# Altium PCB Urukul.PcbDoc (part 2 of 12)
Units mm, origin at the board's own origin, x right, y up, seen from the top; angles counter-clockwise.
Board outline 160.99 x 100 mm, 6 copper layers (L1, P2, L3, L4, P5, L6), stack 1.648 mm thick; 971 components, 541 nets, 3373 pads, 2358 vias.
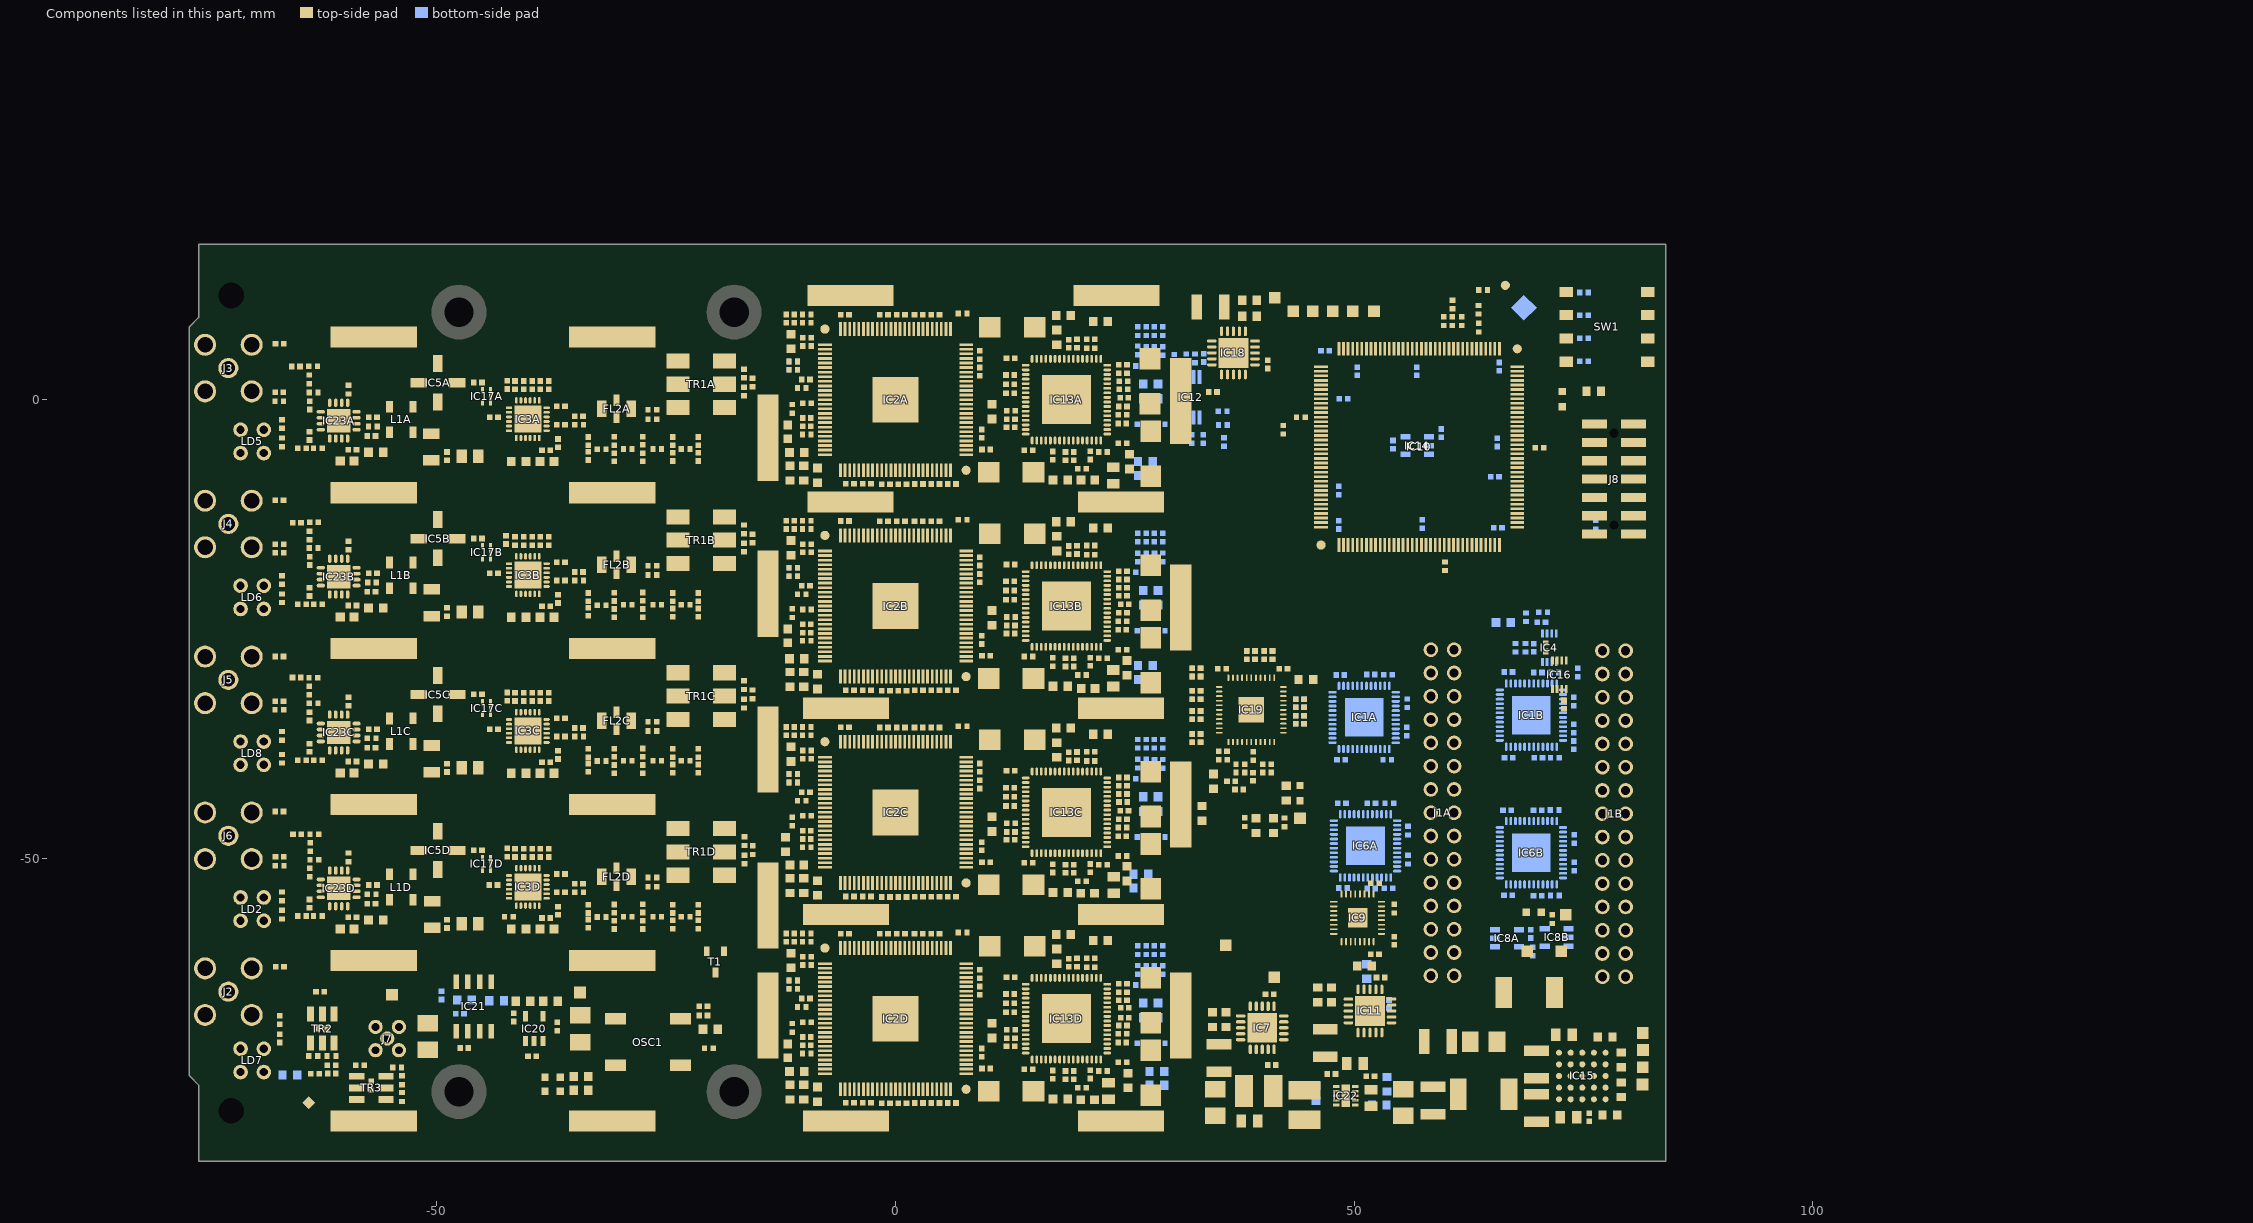
[diagram p6: the components of this part, seen from the top]

## Components (designator, comment, footprint, x,y, rotation, side; value= is the part's Value field where it differs from the comment) (continued)
C158B "100nF" CAPC1005X55N -9.65,-15.75 r0 top (schematic designator C158)
C158C "100nF" CAPC1005X55N -9.65,-38.25 r0 top (schematic designator C158)
C158D "100nF" CAPC1005X55N -9.65,-60.75 r0 top (schematic designator C158)
C159A "100nF" CAPC1005X55N -5.525,9.275 r180 top (schematic designator C159)
C159B "100nF" CAPC1005X55N -5.525,-13.225 r180 top (schematic designator C159)
C159C "100nF" CAPC1005X55N -5.525,-35.725 r180 top (schematic designator C159)
C159D "100nF" CAPC1005X55N -5.525,-58.225 r180 top (schematic designator C159)
C160 "1uF" CAPC1005X55N 53.823,-65.913 r90 bottom
C161 "47uF" CAPC3225X270N 69.89,-72.5 r90 top
C162A "10uF" CAPMP6032X280N 27.75,2 r270 top (schematic designator C162)
C162B "10uF" CAPMP6032X280N 27.82,-20.503 r270 top (schematic designator C162)
C162C "10uF" CAPMP6032X280N 27.82,-43.003 r270 top (schematic designator C162)
C162D "10uF" CAPMP6032X280N 27.82,-65.503 r270 top (schematic designator C162)
C163 "47uF" CAPC3225X270N 59.14,-70 r0 top
C164A "Undefined" CAPC1005X55N -21.5,-6.228 r270 top (schematic designator C164)
C164B "Undefined" CAPC1005X55N -21.5,-23.228 r270 top (schematic designator C164)
C164C "Undefined" CAPC1005X55N -21.5,-40.228 r270 top (schematic designator C164)
C164D "Undefined" CAPC1005X55N -21.5,-57.228 r270 top (schematic designator C164)
C165 "1uF" CAPC1005X55N 52.89,-63 r0 top
C166 "47uF" CAPC3225X270N 46.85,-70.153 r90 top
C167 "1uF" CAPC1005X55N 34.6,0.847 r180 top
C168 "1uF" CAPC1005X55N 40.6,3.847 r270 top
C169 "47uF" CAPC3225X270N 34.35,10.097 r0 top
C170 "10nF" CAPC1005X55N -36.87,-68.353 r90 top
C171 "1uF" CAPC1005X55N -39.62,-71.603 r180 top
C172A "Undefined" CAPC1005X55N -24.3,-4.528 r90 top (schematic designator C172)
C172B "Undefined" CAPC1005X55N -24.3,-21.528 r90 top (schematic designator C172)
C172C "Undefined" CAPC1005X55N -24.3,-38.528 r90 top (schematic designator C172)
C172D "Undefined" CAPC1005X55N -24.3,-55.528 r90 top (schematic designator C172)
C173 "100nF" CAPC1005X55N -41.62,-67.353 r90 top
C174 "1uF" CAPC1005X55N -47.025,-70.703 r180 top
C175 "10nF" CAPC1005X55N -49.5,-64.953 r270 bottom
C176A "Undefined" CAPC1005X55N -27.55,-6.278 r270 top (schematic designator C176)
C176B "Undefined" CAPC1005X55N -27.55,-23.278 r270 top (schematic designator C176)
C176C "Undefined" CAPC1005X55N -27.55,-40.278 r270 top (schematic designator C176)
C176D "Undefined" CAPC1005X55N -27.55,-57.278 r270 top (schematic designator C176)
C177 "100nF" CAPC1005X55N -47.5,-66.953 r180 bottom
C178 "100nF" CAPC1005X55N 47.529,-73.542 r180 top
C179 "22uF" CAPC2012X135N 50.1,-72.403 r180 top
C180A "Undefined" CAPC1005X55N -30.675,-4.503 r90 top (schematic designator C180)
C180B "Undefined" CAPC1005X55N -30.675,-21.503 r90 top (schematic designator C180)
C180C "Undefined" CAPC1005X55N -30.675,-38.503 r90 top (schematic designator C180)
C180D "Undefined" CAPC1005X55N -30.675,-55.503 r90 top (schematic designator C180)
C181 "100nF" CAPC1005X55N 51.779,-73.792 r0 top
C182 "22uF" CAPC2012X135N 51.85,-76.153 r90 top
C183 "22uF" CAPC2012X135N 38.6,-78.653 r0 top
C184 "100nF" CAPC1005X55N 65.85,3.597 r90 bottom
C185 "100nF" CAPC1005X55N 65.694,-13.965 r0 bottom
C186 "100nF" CAPC1005X55N 65.6,-4.653 r90 bottom
C187 "100nF" CAPC1005X55N 48.35,-9.903 r90 bottom
C188 "100nF" CAPC1005X55N 56.85,3.097 r90 bottom
C189 "100nF" CAPC1005X55N 37.462,-42.514 r180 top
C190 "100nF" CAPC1005X55N -58.398,-72.588 r180 top
C191 "0.5pF" CAPC1005X50N -53.813,-76.054 r270 top
C192 "100nF" CAPC1005X55N 50.35,3.097 r90 bottom
C193 "100nF" CAPC1005X55N 48.85,0.097 r180 bottom
C194 "100nF" CAPC1005X55N 38.986,-41.117 r90 top
C195 "0.5pF" CAPC1005X50N -53.813,-74.225 r270 top
C196 "100nF" CAPC1005X55N -62.75,-64.553 r0 top
C197 "1uF" CAPC1005X55N 59.5,-3.653 r90 bottom
C198 "1uF" CAPC1005X55N 54.25,-4.903 r90 bottom
C199 "100nF" CAPC1005X55N 48.35,-13.653 r270 bottom
C200 "100nF" CAPC1005X55N 65.35,-8.403 r0 bottom
C201 "100nF" CAPC1005X55N 46.85,5.347 r180 bottom
C202A "Undefined" CAPC1005X55N -33.5,-6.128 r270 top (schematic designator C202)
C202B "Undefined" CAPC1005X55N -33.5,-23.128 r270 top (schematic designator C202)
C202C "Undefined" CAPC1005X55N -33.5,-40.128 r270 top (schematic designator C202)
C202D "Undefined" CAPC1005X55N -33.5,-57.128 r270 top (schematic designator C202)
C203A "Undefined" CAPC1005X55N -21.5,-4.528 r270 top (schematic designator C203)
C203B "Undefined" CAPC1005X55N -21.5,-21.528 r270 top (schematic designator C203)
C203C "Undefined" CAPC1005X55N -21.5,-38.528 r270 top (schematic designator C203)
C203D "Undefined" CAPC1005X55N -21.5,-55.528 r270 top (schematic designator C203)
C204A "Undefined" CAPC1005X55N -24.3,-6.228 r90 top (schematic designator C204)
C204B "Undefined" CAPC1005X55N -24.3,-23.228 r90 top (schematic designator C204)
C204C "Undefined" CAPC1005X55N -24.3,-40.228 r90 top (schematic designator C204)
C204D "Undefined" CAPC1005X55N -24.3,-57.228 r90 top (schematic designator C204)
C205A "Undefined" CAPC1005X55N -27.55,-4.478 r270 top (schematic designator C205)
C205B "Undefined" CAPC1005X55N -27.55,-21.478 r270 top (schematic designator C205)
C205C "Undefined" CAPC1005X55N -27.55,-38.478 r270 top (schematic designator C205)
C205D "Undefined" CAPC1005X55N -27.55,-55.478 r270 top (schematic designator C205)
C206A "Undefined" CAPC1005X55N -30.675,-6.278 r90 top (schematic designator C206)
C206B "Undefined" CAPC1005X55N -30.675,-23.278 r90 top (schematic designator C206)
C206C "Undefined" CAPC1005X55N -30.675,-40.278 r90 top (schematic designator C206)
C206D "Undefined" CAPC1005X55N -30.675,-57.278 r90 top (schematic designator C206)
C207A "Undefined" CAPC1005X55N -33.5,-4.528 r270 top (schematic designator C207)
C207B "Undefined" CAPC1005X55N -33.5,-21.528 r270 top (schematic designator C207)
C207C "Undefined" CAPC1005X55N -33.5,-38.528 r270 top (schematic designator C207)
C207D "Undefined" CAPC1005X55N -33.5,-55.528 r270 top (schematic designator C207)
CLIP1 "S1411-46R" CLIP_HOLLAND-SHIELDING_LC 31.1,-0.153 r270 top
CLIP2 "S1411-46R" CLIP_HOLLAND-SHIELDING_LC -13.9,-67.153 r270 top
CLIP3 "S1411-46R" CLIP_HOLLAND-SHIELDING_LC -4.9,11.347 r180 top
CLIP4 "S1411-46R" CLIP_HOLLAND-SHIELDING_LC 24.6,-56.153 r180 top
CLIP5 "S1411-46R" CLIP_HOLLAND-SHIELDING_LC -13.9,-4.153 r270 top
CLIP6 "S1411-46R" CLIP_HOLLAND-SHIELDING_LC 24.1,11.347 r180 top
CLIP7 "S1411-46R" CLIP_HOLLAND-SHIELDING_LC -30.9,6.847 r180 top
CLIP8 "S1411-46R" CLIP_HOLLAND-SHIELDING_LC -30.9,-61.153 r180 top
CLIP9 "S1411-46R" CLIP_HOLLAND-SHIELDING_LC 24.6,-78.653 r180 top
CLIP10 "S1411-46R" CLIP_HOLLAND-SHIELDING_LC -13.9,-21.153 r270 top
CLIP11 "S1411-46R" CLIP_HOLLAND-SHIELDING_LC -5.4,-33.653 r180 top
CLIP12 "S1411-46R" CLIP_HOLLAND-SHIELDING_LC 24.6,-11.153 r180 top
CLIP13 "S1411-46R" CLIP_HOLLAND-SHIELDING_LC 24.6,-33.653 r180 top
CLIP14 "S1411-46R" CLIP_HOLLAND-SHIELDING_LC -5.4,-56.153 r180 top
CLIP15 "S1411-46R" CLIP_HOLLAND-SHIELDING_LC -4.9,-11.153 r180 top
CLIP16 "S1411-46R" CLIP_HOLLAND-SHIELDING_LC -56.9,-44.153 r180 top
CLIP17 "S1411-46R" CLIP_HOLLAND-SHIELDING_LC -30.9,-44.153 r180 top
CLIP18 "S1411-46R" CLIP_HOLLAND-SHIELDING_LC -13.9,-55.153 r270 top
CLIP19 "S1411-46R" CLIP_HOLLAND-SHIELDING_LC -56.9,-61.153 r180 top
CLIP20 "S1411-46R" CLIP_HOLLAND-SHIELDING_LC -5.4,-78.653 r180 top
CLIP21 "S1411-46R" CLIP_HOLLAND-SHIELDING_LC -56.9,-10.153 r180 top
CLIP22 "S1411-46R" CLIP_HOLLAND-SHIELDING_LC -30.9,-10.153 r180 top
CLIP23 "S1411-46R" CLIP_HOLLAND-SHIELDING_LC -56.9,6.847 r180 top
CLIP24 "S1411-46R" CLIP_HOLLAND-SHIELDING_LC -56.9,-27.153 r180 top
CLIP25 "S1411-46R" CLIP_HOLLAND-SHIELDING_LC -30.9,-27.153 r180 top
CLIP26 "S1411-46R" CLIP_HOLLAND-SHIELDING_LC -13.9,-38.153 r270 top
CLIP27 "S1411-46R" CLIP_HOLLAND-SHIELDING_LC 31.1,-67.153 r90 top
CLIP28 "S1411-46R" CLIP_HOLLAND-SHIELDING_LC 31.1,-44.153 r90 top
CLIP29 "S1411-46R" CLIP_HOLLAND-SHIELDING_LC 31.1,-22.653 r90 top
CLIP30 "S1411-46R" CLIP_HOLLAND-SHIELDING_LC -56.9,-78.653 r180 top
CLIP31 "S1411-46R" CLIP_HOLLAND-SHIELDING_LC -30.9,-78.653 r180 top
FL2A "DC to 320MHz" FIL_MINI-CIRCUITS_FV1206 -30.425,-1.003 r180 top (schematic designator FL2)
FL2B "DC to 320MHz" FIL_MINI-CIRCUITS_FV1206 -30.425,-18.003 r180 top (schematic designator FL2)
FL2C "DC to 320MHz" FIL_MINI-CIRCUITS_FV1206 -30.425,-35.003 r180 top (schematic designator FL2)
FL2D "DC to 320MHz" FIL_MINI-CIRCUITS_FV1206 -30.425,-52.003 r180 top (schematic designator FL2)
FTG1 "Use only in PCB" FIDUCIAL_TOP_C100-200 66.497,12.471 r90 top
FTG2 "Use only in PCB" FIDUCIAL_TOP_S100-200 -63.983,-76.657 r180 top
FTG3 "Use only in PCB" FIDUCIAL_TOP_S200-400 68.529,10.033 r180 bottom
FTG4 "Use only in PCB" FIDUCIAL_TOP_S100-200 -63.983,-76.657 r90 bottom
IC1A "SN65MLVD040RGZT" QFN50P700X700X100-49N-S420 51.1,-34.653 r180 bottom (schematic designator IC1)
IC1B "SN65MLVD040RGZT" QFN50P700X700X100-49N-S420 69.35,-34.403 r180 bottom locked (schematic designator IC1)
IC2A "AD9910BSVZ" QFP50P1600X1600X120-101N-S500 0,0 r90 top locked (schematic designator IC2)
IC2B "AD9910BSVZ" QFP50P1600X1600X120-101N-S500 0,-22.5 r90 top locked (schematic designator IC2)
IC2C "AD9910BSVZ" QFP50P1600X1600X120-101N-S500 0,-45 r90 top locked (schematic designator IC2)
IC2D "AD9910BSVZ" QFP50P1600X1600X120-101N-S500 0,-67.5 r90 top locked (schematic designator IC2)
IC3A "HMC542BLP4E" QFN50P400X400X100-25N-S295 -40.1,-2.128 r180 top (schematic designator IC3)
IC3B "HMC542BLP4E" QFN50P400X400X100-25N-S295 -40.1,-19.128 r180 top (schematic designator IC3)
IC3C "HMC542BLP4E" QFN50P400X400X100-25N-S295 -40.1,-36.128 r180 top (schematic designator IC3)
IC3D "HMC542BLP4E" QFN50P400X400X100-25N-S295 -40.1,-53.128 r180 top (schematic designator IC3)
IC4 "FIN1101K8X" SOP50P310X90-8N 71.3,-27.053 r270 bottom
IC5A "ERA-3SM+" MINI-CIRCUITS_WW107 -49.9,1.847 r180 top (schematic designator IC5)
IC5B "ERA-3SM+" MINI-CIRCUITS_WW107 -49.9,-15.153 r180 top (schematic designator IC5)
IC5C "ERA-3SM+" MINI-CIRCUITS_WW107 -49.9,-32.153 r180 top locked (schematic designator IC5)
IC5D "ERA-3SM+" MINI-CIRCUITS_WW107 -49.9,-49.153 r180 top (schematic designator IC5)
IC6A "SN65MLVD040RGZT" QFN50P700X700X100-49N-S420 51.25,-48.653 r180 bottom (schematic designator IC6)
IC6B "SN65MLVD040RGZT" QFN50P700X700X100-49N-S420 69.35,-49.403 r180 bottom (schematic designator IC6)
IC7 "TPS74901RGWT" QFN65P500X500X100-21N-S325 39.987,-68.494 r90 top
IC8A "24AA02E48T-I/OT" SOT95P280X145-5N 66.675,-58.728 r0 bottom (schematic designator IC8)
IC8B "24AA02E48T-I/OT" SOT95P280X145-5N 72.1,-58.628 r180 bottom (schematic designator IC8)
IC9 "Si53304-B-GM" SLAB-QFN-32-2150x2150TP_M 50.39,-56.5 r90 top
IC10 "XC2C128-6TQG144C" QFP50P2200X2200X160-144N 57.1,-5.153 r0 top locked
IC11 "TPS74901RGWT" QFN65P500X500X100-21N-S325 51.737,-66.661 r90 top locked
IC12 "LM75AIMM/NOPB" SOP65P490X109-8N 32.169,0.265 r90 bottom
IC13A "AD9912ABCPZ" QFN50P900X900X100-65N-S536 18.64,0 r0 top locked (schematic designator IC13)
IC13B "AD9912ABCPZ" QFN50P900X900X100-65N-S536 18.64,-22.5 r0 top locked (schematic designator IC13)
IC13C "AD9912ABCPZ" QFN50P900X900X100-65N-S536 18.64,-45 r0 top locked (schematic designator IC13)
IC13D "AD9912ABCPZ" QFN50P900X900X100-65N-S536 18.64,-67.5 r0 top (schematic designator IC13)
IC14 "LP3990MF-1.8/NOPB" SOT95P284X122-5N 56.89,-5 r180 bottom
IC15 "LTM4622AEV#PBF" LGA25C127P5X5_625X625X190 74.89,-73.75 r0 top locked
IC16 "FIN1101K8X" SOP50P310X90-8N 72.39,-30 r270 top
IC17A "PAT1220-C-9DB-T5" SUSUMU_PAT1220 -44.6,0.372 r90 top (schematic designator IC17)
IC17B "PAT1220-C-9DB-T5" SUSUMU_PAT1220 -44.6,-16.628 r90 top (schematic designator IC17)
IC17C "PAT1220-C-9DB-T5" SUSUMU_PAT1220 -44.6,-33.628 r90 top (schematic designator IC17)
IC17D "PAT1220-C-9DB-T5" SUSUMU_PAT1220 -44.6,-50.628 r90 top (schematic designator IC17)
IC18 "TPS74901RGWT" QFN65P500X500X100-21N-S325 36.85,5.097 r0 top
IC19 "Si53312-B-GM" SLAB-QFN-44-2800x2800TP_N 38.8,-33.828 r0 top
IC20 "LT1761ES5-BYP#TRMPBF" SOT95P280X100-5N -39.4,-68.581 r90 top
IC21 "LT1763CS8#PBF" SOIC127P600X175-8N -46,-66.167 r270 top
IC22 "TPS62175DQC" SON50P200X300X80-11N-R94X250 49.1,-75.903 r180 top
IC23A "HMC349ALP4CE" QFN65P400X400X100-17N-S255 -60.721,-2.292 r180 top (schematic designator IC23)
IC23B "HMC349ALP4CE" QFN65P400X400X100-17N-S255 -60.721,-19.292 r180 top locked (schematic designator IC23)
IC23C "HMC349ALP4CE" QFN65P400X400X100-17N-S255 -60.721,-36.292 r180 top (schematic designator IC23)
IC23D "HMC349ALP4CE" QFN65P400X400X100-17N-S255 -60.721,-53.292 r180 top (schematic designator IC23)
J1A "Familly" 3M_N2530-6002RB 59.647,-45.042 r270 top locked (schematic designator J1)
J1B "Familly" 3M_N2530-6002RB 78.35,-45.153 r270 top locked (schematic designator J1)
J2 "SMA" RF249BT0050GHDW -72.75,-64.553 r180 top locked
J3 "SMA" RF249BT0050GHDW -72.75,3.447 r180 top locked
J4 "SMA" RF249BT0050GHDW -72.75,-13.553 r180 top locked
J5 "SMA" RF249BT0050GHDW -72.75,-30.553 r180 top locked
J6 "SMA" RF249BT0050GHDW -72.75,-47.553 r180 top locked
J7 "MMCX" SAMTEC_MMCX-J-P-H-ST-TH1 -55.426,-69.667 r180 top
J8 "Milli-Grid™" MOLEX_87832-1420 78.35,-8.653 r90 top
L1A "0.5uH@200mA" IND_MINI-CIRCUITS_GU1604 -53.9,-2.153 r180 top (schematic designator L1)
L1B "0.5uH@200mA" IND_MINI-CIRCUITS_GU1604 -53.9,-19.153 r180 top (schematic designator L1)
L1C "0.5uH@200mA" IND_MINI-CIRCUITS_GU1604 -53.9,-36.153 r180 top (schematic designator L1)
L1D "0.5uH@200mA" IND_MINI-CIRCUITS_GU1604 -53.9,-53.153 r180 top (schematic designator L1)
L2 "1.5uH" IND_TDK_SPM6530 64.14,-75.75 r180 top
L3 "1.5uH" IND_TDK_SPM6530 69.1,-64.653 r180 top
L4 "10uH" IND_MURATA-PS_8400 44.6,-76.903 r90 top
L5 "10uH" IND_MURATA-PS_8400 39.6,-75.403 r180 top
L6A "390R@100MHz" INDC1608X95N -56.675,-5.728 r0 top (schematic designator L6)
L6B "390R@100MHz" INDC1608X95N -56.675,-22.728 r0 top (schematic designator L6)
L6C "390R@100MHz" INDC1608X95N -56.675,-39.728 r0 top (schematic designator L6)
L6D "390R@100MHz" INDC1608X95N -56.675,-56.728 r0 top (schematic designator L6)
L7A "390R@100MHz" INDC1608X95N -41.1,-6.728 r0 top (schematic designator L7)
L7B "390R@100MHz" INDC1608X95N -41.1,-23.728 r0 top (schematic designator L7)
L7C "390R@100MHz" INDC1608X95N -41.1,-40.728 r0 top (schematic designator L7)
L7D "390R@100MHz" INDC1608X95N -41.1,-57.728 r0 top (schematic designator L7)
L8 "120R@100MHz" INDC1608X95N 66.287,-24.294 r180 bottom
L9 "120R@100MHz" INDC1608X95N -20.2,-68.653 r0 top
L13 "120R@100MHz" INDC1608X95N 51.14,-61.75 r180 top
L14 "120R@100MHz" INDC1608X95N 34.693,-41.626 r270 top
L15A "120R@100MHz" INDC1608X95N -11.4,6.347 r270 top (schematic designator L15)
L15B "120R@100MHz" INDC1608X95N -11.4,-16.153 r270 top (schematic designator L15)
L15C "120R@100MHz" INDC1608X95N -11.4,-38.653 r270 top (schematic designator L15)
L15D "120R@100MHz" INDC1608X95N -11.4,-61.153 r270 top (schematic designator L15)
L16A "120R@100MHz" INDC1608X95N 17.975,-8.753 r180 top (schematic designator L16)
L16B "120R@100MHz" INDC1608X95N 17.975,-31.253 r180 top (schematic designator L16)
L16C "120R@100MHz" INDC1608X95N 17.975,-53.753 r180 top (schematic designator L16)
L16D "120R@100MHz" INDC1608X95N 17.975,-76.253 r180 top (schematic designator L16)
L17A "120R@100MHz" INDC1608X95N 10.512,-1.295 r270 top (schematic designator L17)
L17B "120R@100MHz" INDC1608X95N 10.512,-23.795 r270 top (schematic designator L17)
L17C "120R@100MHz" INDC1608X95N 10.512,-46.295 r270 top (schematic designator L17)
L17D "120R@100MHz" INDC1608X95N 10.512,-68.795 r270 top (schematic designator L17)
L18A "120R@100MHz" INDC1608X95N 22.348,8.509 r0 top (schematic designator L18)
L18B "120R@100MHz" INDC1608X95N 22.348,-13.991 r0 top (schematic designator L18)
L18C "120R@100MHz" INDC1608X95N 22.348,-36.491 r0 top (schematic designator L18)
L18D "120R@100MHz" INDC1608X95N 22.348,-58.991 r0 top (schematic designator L18)
L19A "120R@100MHz" INDC1608X95N 27.82,1.697 r0 bottom (schematic designator L19)
L19B "120R@100MHz" INDC1608X95N 27.82,-20.803 r0 bottom (schematic designator L19)
L19C "120R@100MHz" INDC1608X95N 27.82,-43.303 r0 bottom (schematic designator L19)
L19D "120R@100MHz" INDC1608X95N 27.82,-65.803 r0 bottom (schematic designator L19)
L20A "120R@100MHz" INDC1608X95N 27.82,0.097 r0 bottom (schematic designator L20)
L20B "120R@100MHz" INDC1608X95N 27.82,-22.403 r0 bottom (schematic designator L20)
L20C "120R@100MHz" INDC1608X95N 27.82,-44.903 r0 bottom (schematic designator L20)
L20D "120R@100MHz" INDC1608X95N 27.82,-67.403 r0 bottom (schematic designator L20)
L21A "120R@100MHz" INDC1608X95N 17.59,6.797 r90 top (schematic designator L21)
L21B "120R@100MHz" INDC1608X95N 17.59,-15.703 r90 top (schematic designator L21)
L21C "120R@100MHz" INDC1608X95N 17.59,-38.203 r90 top (schematic designator L21)
L21D "120R@100MHz" INDC1608X95N 17.59,-60.703 r90 top (schematic designator L21)
L22A "120R@100MHz" INDC1608X95N 18.32,9.197 r0 top (schematic designator L22)
L22B "120R@100MHz" INDC1608X95N 18.32,-13.303 r0 top (schematic designator L22)
L22C "120R@100MHz" INDC1608X95N 18.32,-35.803 r0 top (schematic designator L22)
L22D "120R@100MHz" INDC1608X95N 18.32,-58.303 r0 top (schematic designator L22)
LD1 "Green" LED_KINGBRIGHT_KPH-1608CGCKr -37.4,-75.403 r0 top
LD2 "Red/Green" LED_DIALIGHT_553-0112-200F -70.15,-55.553 r0 top locked
LD3 "Green" LED_KINGBRIGHT_KPH-1608CGCKr 69.6,-55.903 r0 top
LD4 "Green" LED_KINGBRIGHT_KPH-1608CGCKr 44.1,-42.903 r270 top
LD5 "Red/Green" LED_DIALIGHT_553-0112-200F -70.15,-4.553 r0 top locked
LD6 "Red/Green" LED_DIALIGHT_553-0112-200F -70.15,-21.553 r0 top locked
LD7 "Red/Green" LED_DIALIGHT_553-0112-200F -70.15,-72.053 r0 top locked
LD8 "Red/Green" LED_DIALIGHT_553-0112-200F -70.15,-38.553 r0 top locked
LD9 "Green" LED_KINGBRIGHT_KPH-1608CGCKr -37.4,-73.903 r0 top
LD10 "Green" LED_KINGBRIGHT_KPH-1608CGCKr 72.708,0.061 r90 top
OSC1 "100MHz" OSC_CRYSTEK_CCHD-950 -27,-70.053 r0 top
R1 "10k" RESC1005X40N 64.084,11.963 r180 top
R2A "0" RESC1005X40N -63.935,2.215 r90 top (schematic designator R2)
R2B "0" RESC1005X40N -63.91,-14.803 r90 top (schematic designator R2)
R2C "0" RESC1005X40N -63.935,-31.719 r90 top (schematic designator R2)
R2D "0" RESC1005X40N -63.808,-48.788 r90 top (schematic designator R2)
R3A "Undefined" RESC1005X40N -63.452,0.793 r180 top (schematic designator R3)
R3B "Undefined" RESC1005X40N -63.452,-16.174 r180 top (schematic designator R3)
R3C "Undefined" RESC1005X40N -63.452,-33.116 r180 top (schematic designator R3)
R3D "Undefined" RESC1005X40N -63.376,-50.16 r180 top (schematic designator R3)
R4A "Undefined" RESC1005X40N -63.503,3.638 r180 top (schematic designator R4)
R4B "Undefined" RESC1005X40N -63.402,-13.38 r180 top (schematic designator R4)
R4C "Undefined" RESC1005X40N -63.478,-30.322 r180 top (schematic designator R4)
R4D "Undefined" RESC1005X40N -63.376,-47.391 r180 top (schematic designator R4)
R5 "1k2" RESC1608X55N -34.295,-75.297 r0 top
R6 "0" RESC1005X40N -67.15,-67.653 r270 top
R7A "100" RESC1005X40N 53.7,-30.003 r0 bottom (schematic designator R7)
R7B "100" RESC1005X40N 71.85,-29.753 r0 bottom (schematic designator R7)
R8A "100" RESC1005X40N -15.6,1.872 r90 top (schematic designator R8)
R8B "100" RESC1005X40N -15.6,-15.128 r90 top (schematic designator R8)
R8C "100" RESC1005X40N -15.6,-32.128 r90 top (schematic designator R8)
R8D "100" RESC1005X40N -15.56,-49.13 r90 top (schematic designator R8)
R9A "100" RESC1005X40N 55.812,-33.104 r270 bottom (schematic designator R9)
R9B "100" RESC1005X40N 73.975,-32.903 r270 bottom (schematic designator R9)
R10A "100" RESC1005X40N -11.25,-1 r270 top (schematic designator R10)
R10B "100" RESC1005X40N -11.25,-23.283 r270 top (schematic designator R10)
R10C "100" RESC1005X40N -11.25,-46 r270 top (schematic designator R10)
R10D "100" RESC1005X40N -11.25,-68.5 r270 top (schematic designator R10)
R11A "100" RESC1005X40N 55.75,-36.178 r270 bottom (schematic designator R11)
R11B "100" RESC1005X40N 73.95,-35.853 r270 bottom (schematic designator R11)
R12A "100" RESC1005X40N 20.325,-7.528 r0 top (schematic designator R12)
R12B "100" RESC1005X40N 20.325,-30.028 r0 top (schematic designator R12)
R12C "100" RESC1005X40N 20.325,-52.528 r0 top (schematic designator R12)
R12D "100" RESC1005X40N 20.325,-75.028 r0 top (schematic designator R12)
R13A "100" RESC1005X40N 53.625,-39.278 r180 bottom (schematic designator R13)
R13B "100" RESC1005X40N 71.9,-39.053 r180 bottom (schematic designator R13)
R15A "10k" RESC1005X35N 26.675,3.672 r0 bottom (schematic designator R15)
R15B "10k" RESC1005X35N 26.675,-18.828 r0 bottom (schematic designator R15)
R15C "10k" RESC1005X35N 26.675,-41.328 r0 bottom (schematic designator R15)
R15D "10k" RESC1005X35N 26.675,-63.828 r0 bottom (schematic designator R15)
R16A "100" RESC1005X40N 53.85,-44.003 r0 bottom (schematic designator R16)
R16B "100" RESC1005X40N 71.875,-44.753 r0 bottom (schematic designator R16)
R17 "100" RESC1005X40N 37.6,-40.653 r0 top
R18A "100" RESC1005X40N -64.725,-5.303 r0 top (schematic designator R18)
R18B "100" RESC1005X40N -64.725,-22.303 r0 top (schematic designator R18)
R18C "100" RESC1005X40N -64.725,-39.303 r0 top (schematic designator R18)
R18D "100" RESC1005X40N -64.725,-56.303 r0 top (schematic designator R18)
R19A "100" RESC1005X40N -63,-5.303 r180 top (schematic designator R19)
R19B "100" RESC1005X40N -62.97,-22.302 r180 top (schematic designator R19)
R19C "100" RESC1005X40N -62.97,-39.302 r180 top (schematic designator R19)